# Altium PCB Atlas-Pi.PcbDoc (part 1 of 3)
Units mil, origin at the board's own origin, x right, y up, seen from the top; angles counter-clockwise.
Board outline 2204.72 x 3346.46 mil, 4 copper layers (Top1, Gnd2, Signal3, Bottom4), stack 64.689 mil thick; 216 components, 214 nets, 934 pads, 615 vias.
Unrouted connection lines stored in the file: 151.
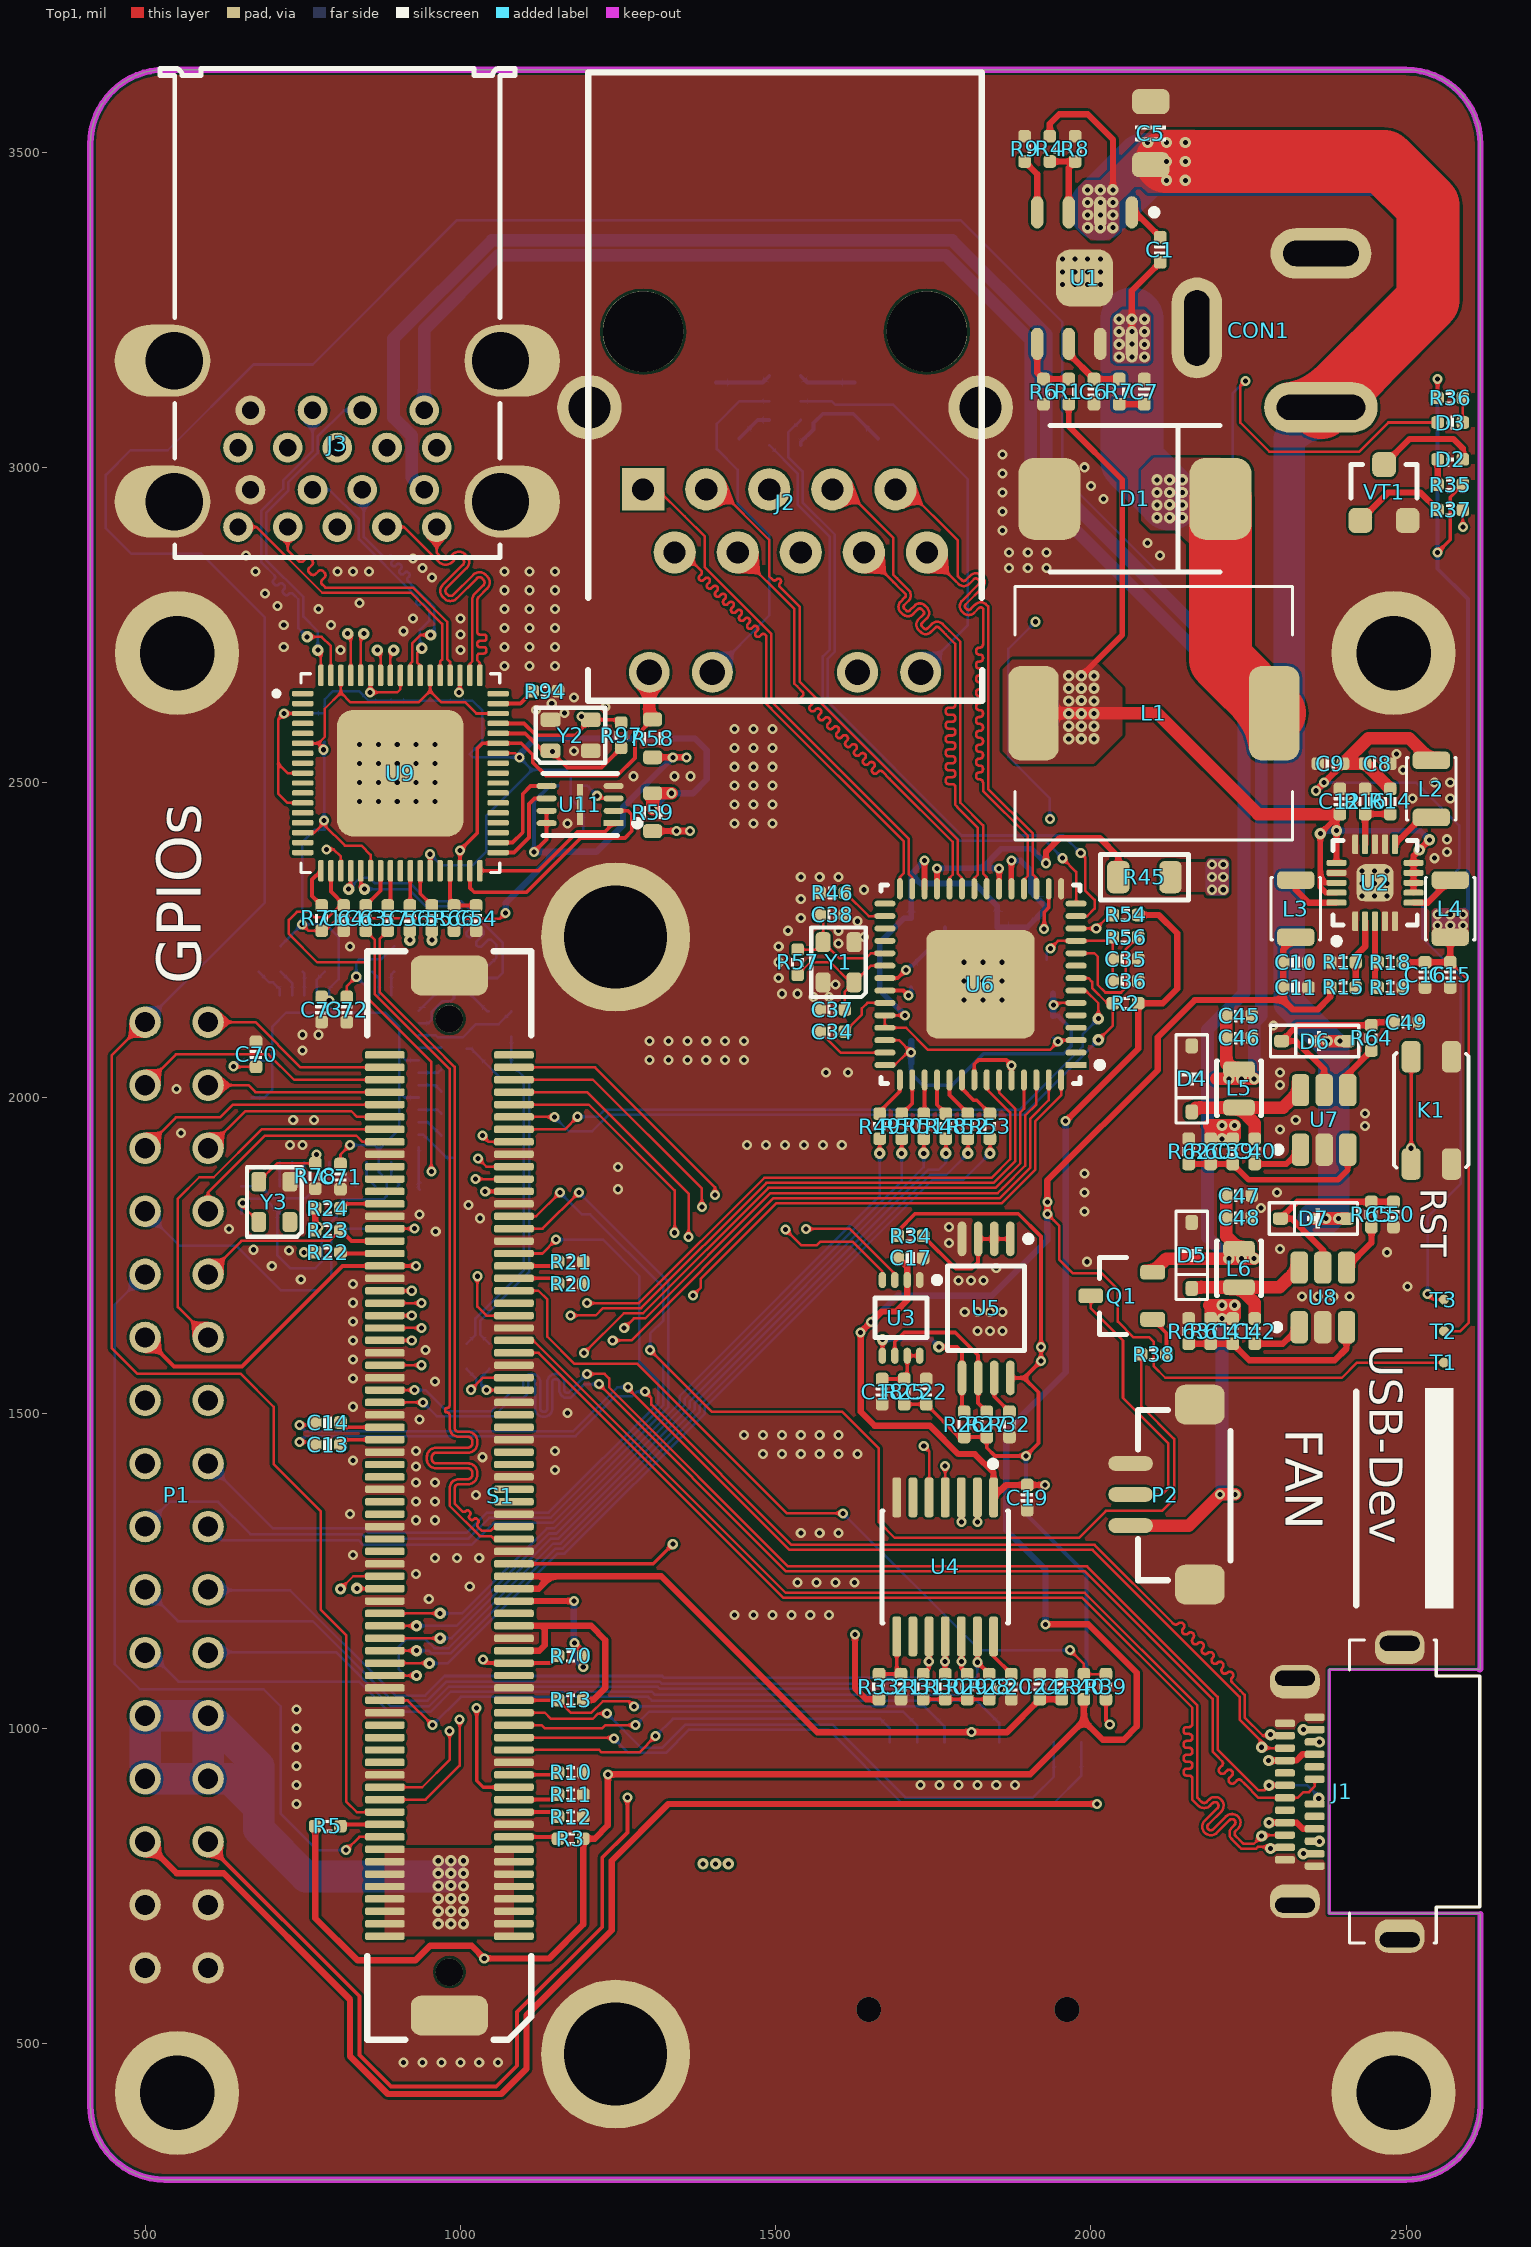
[diagram p0: Top1 view]
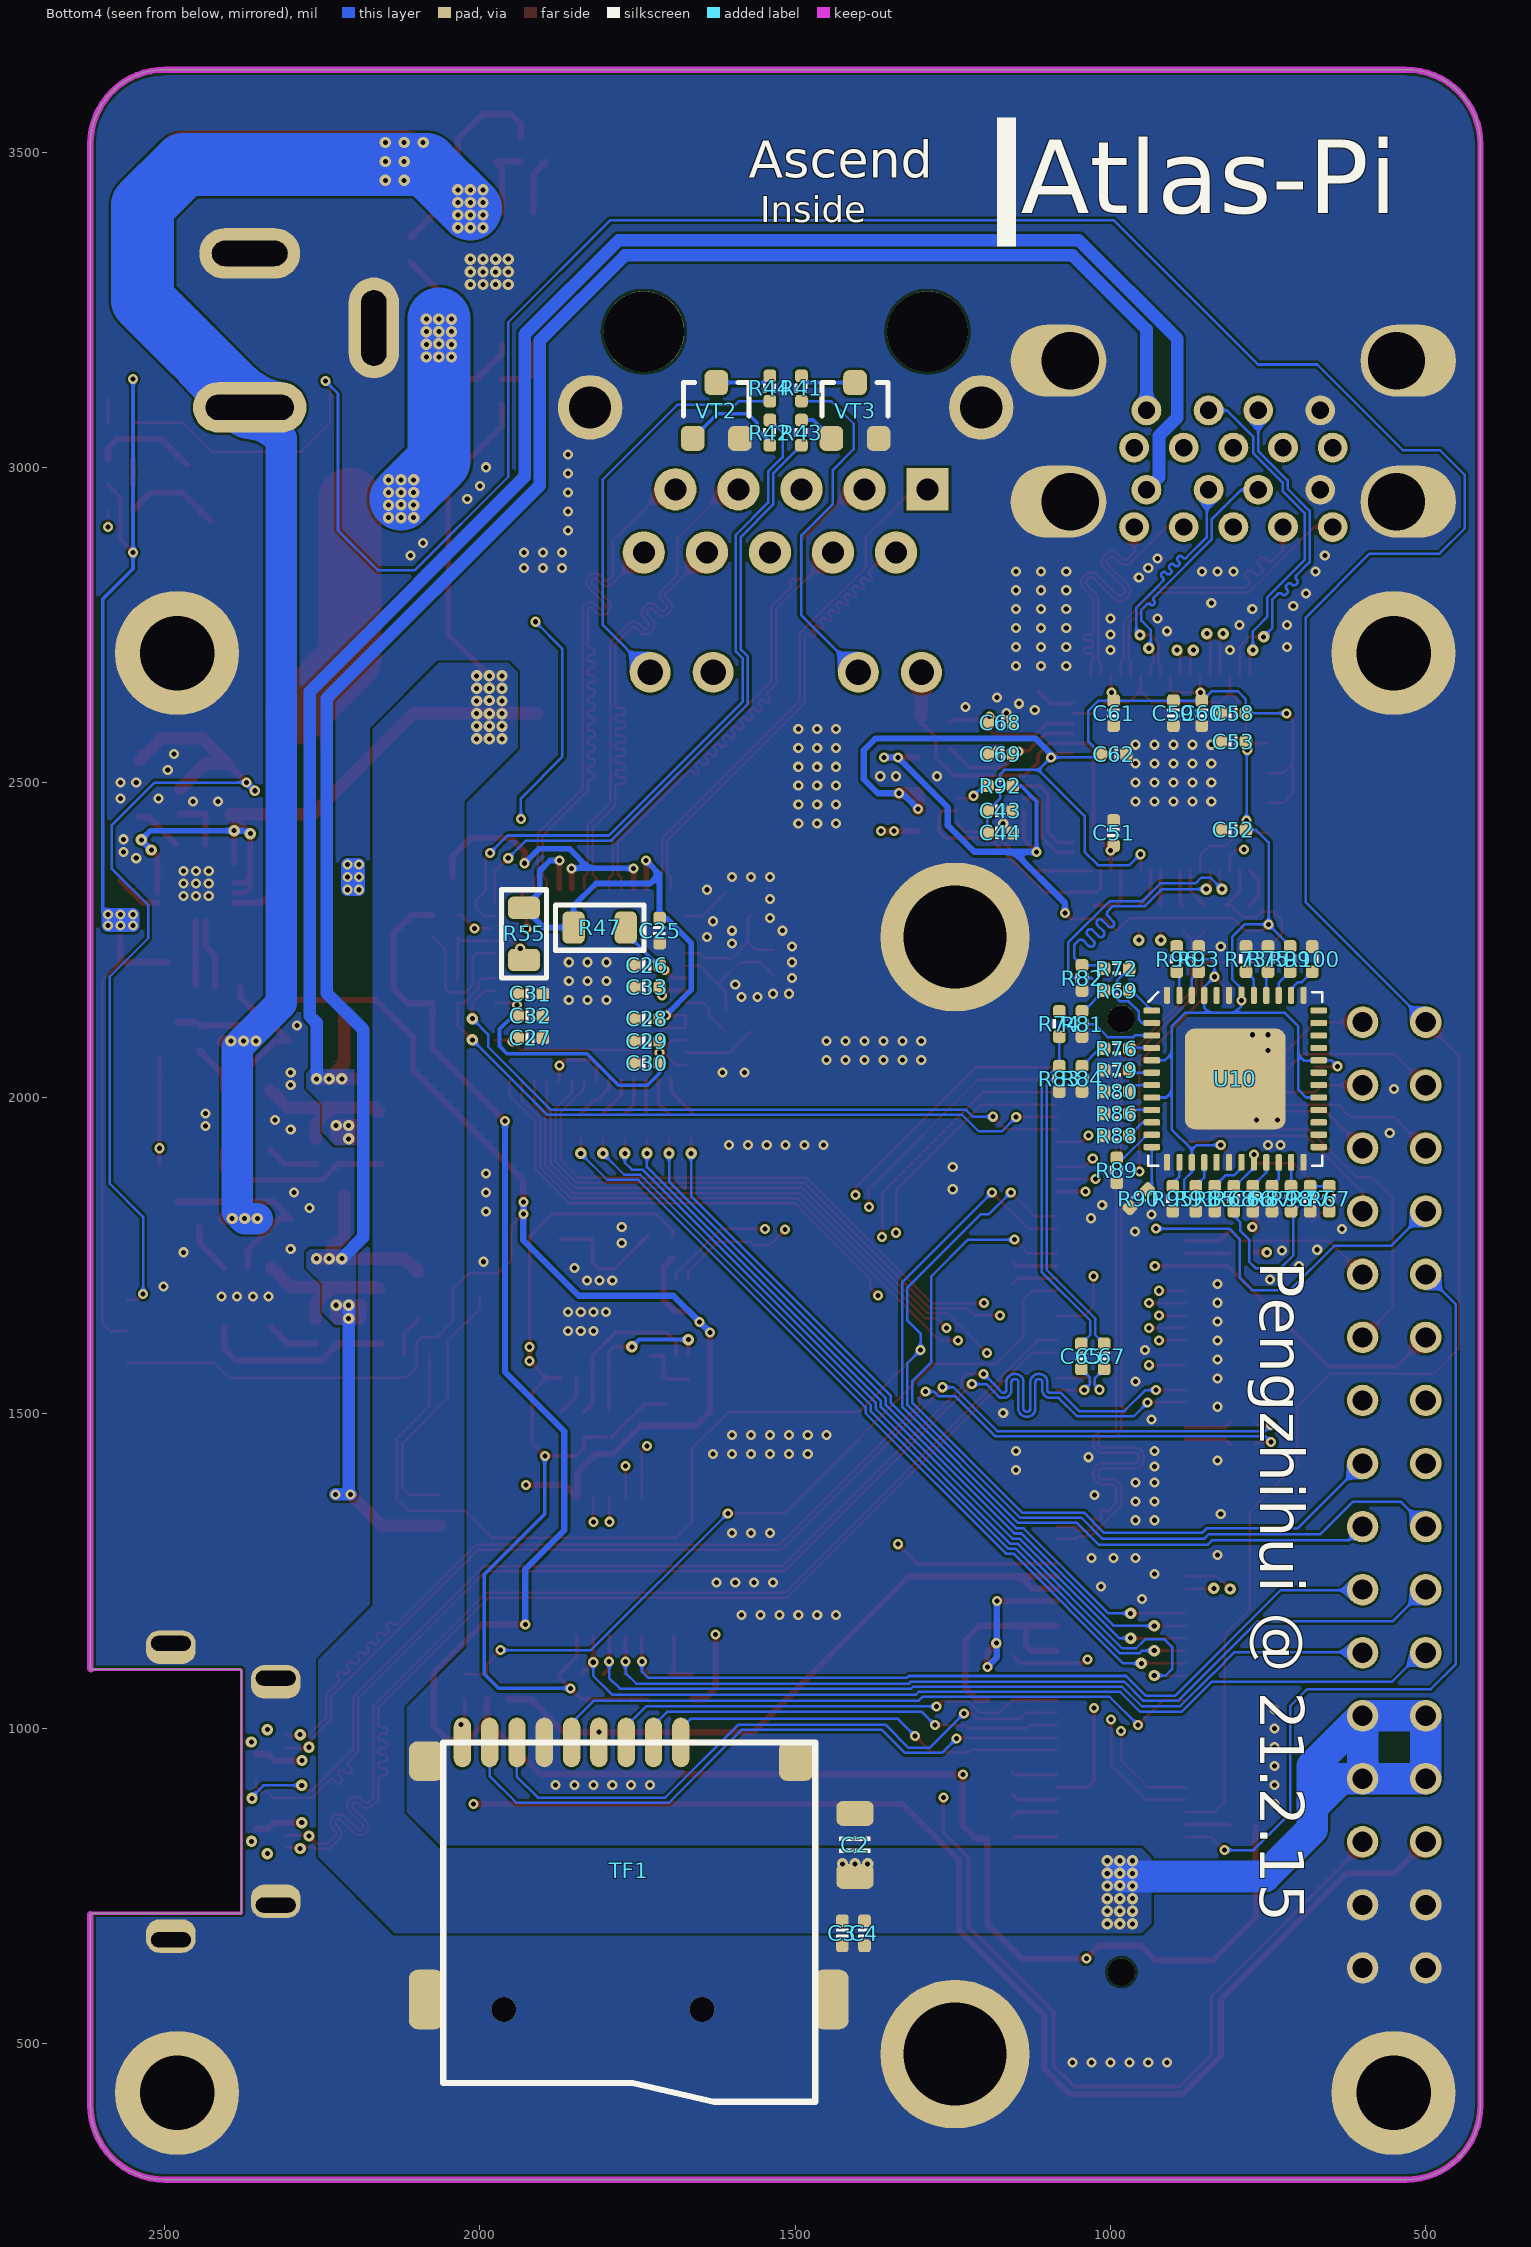
[diagram p1: Bottom4 view, seen from below]
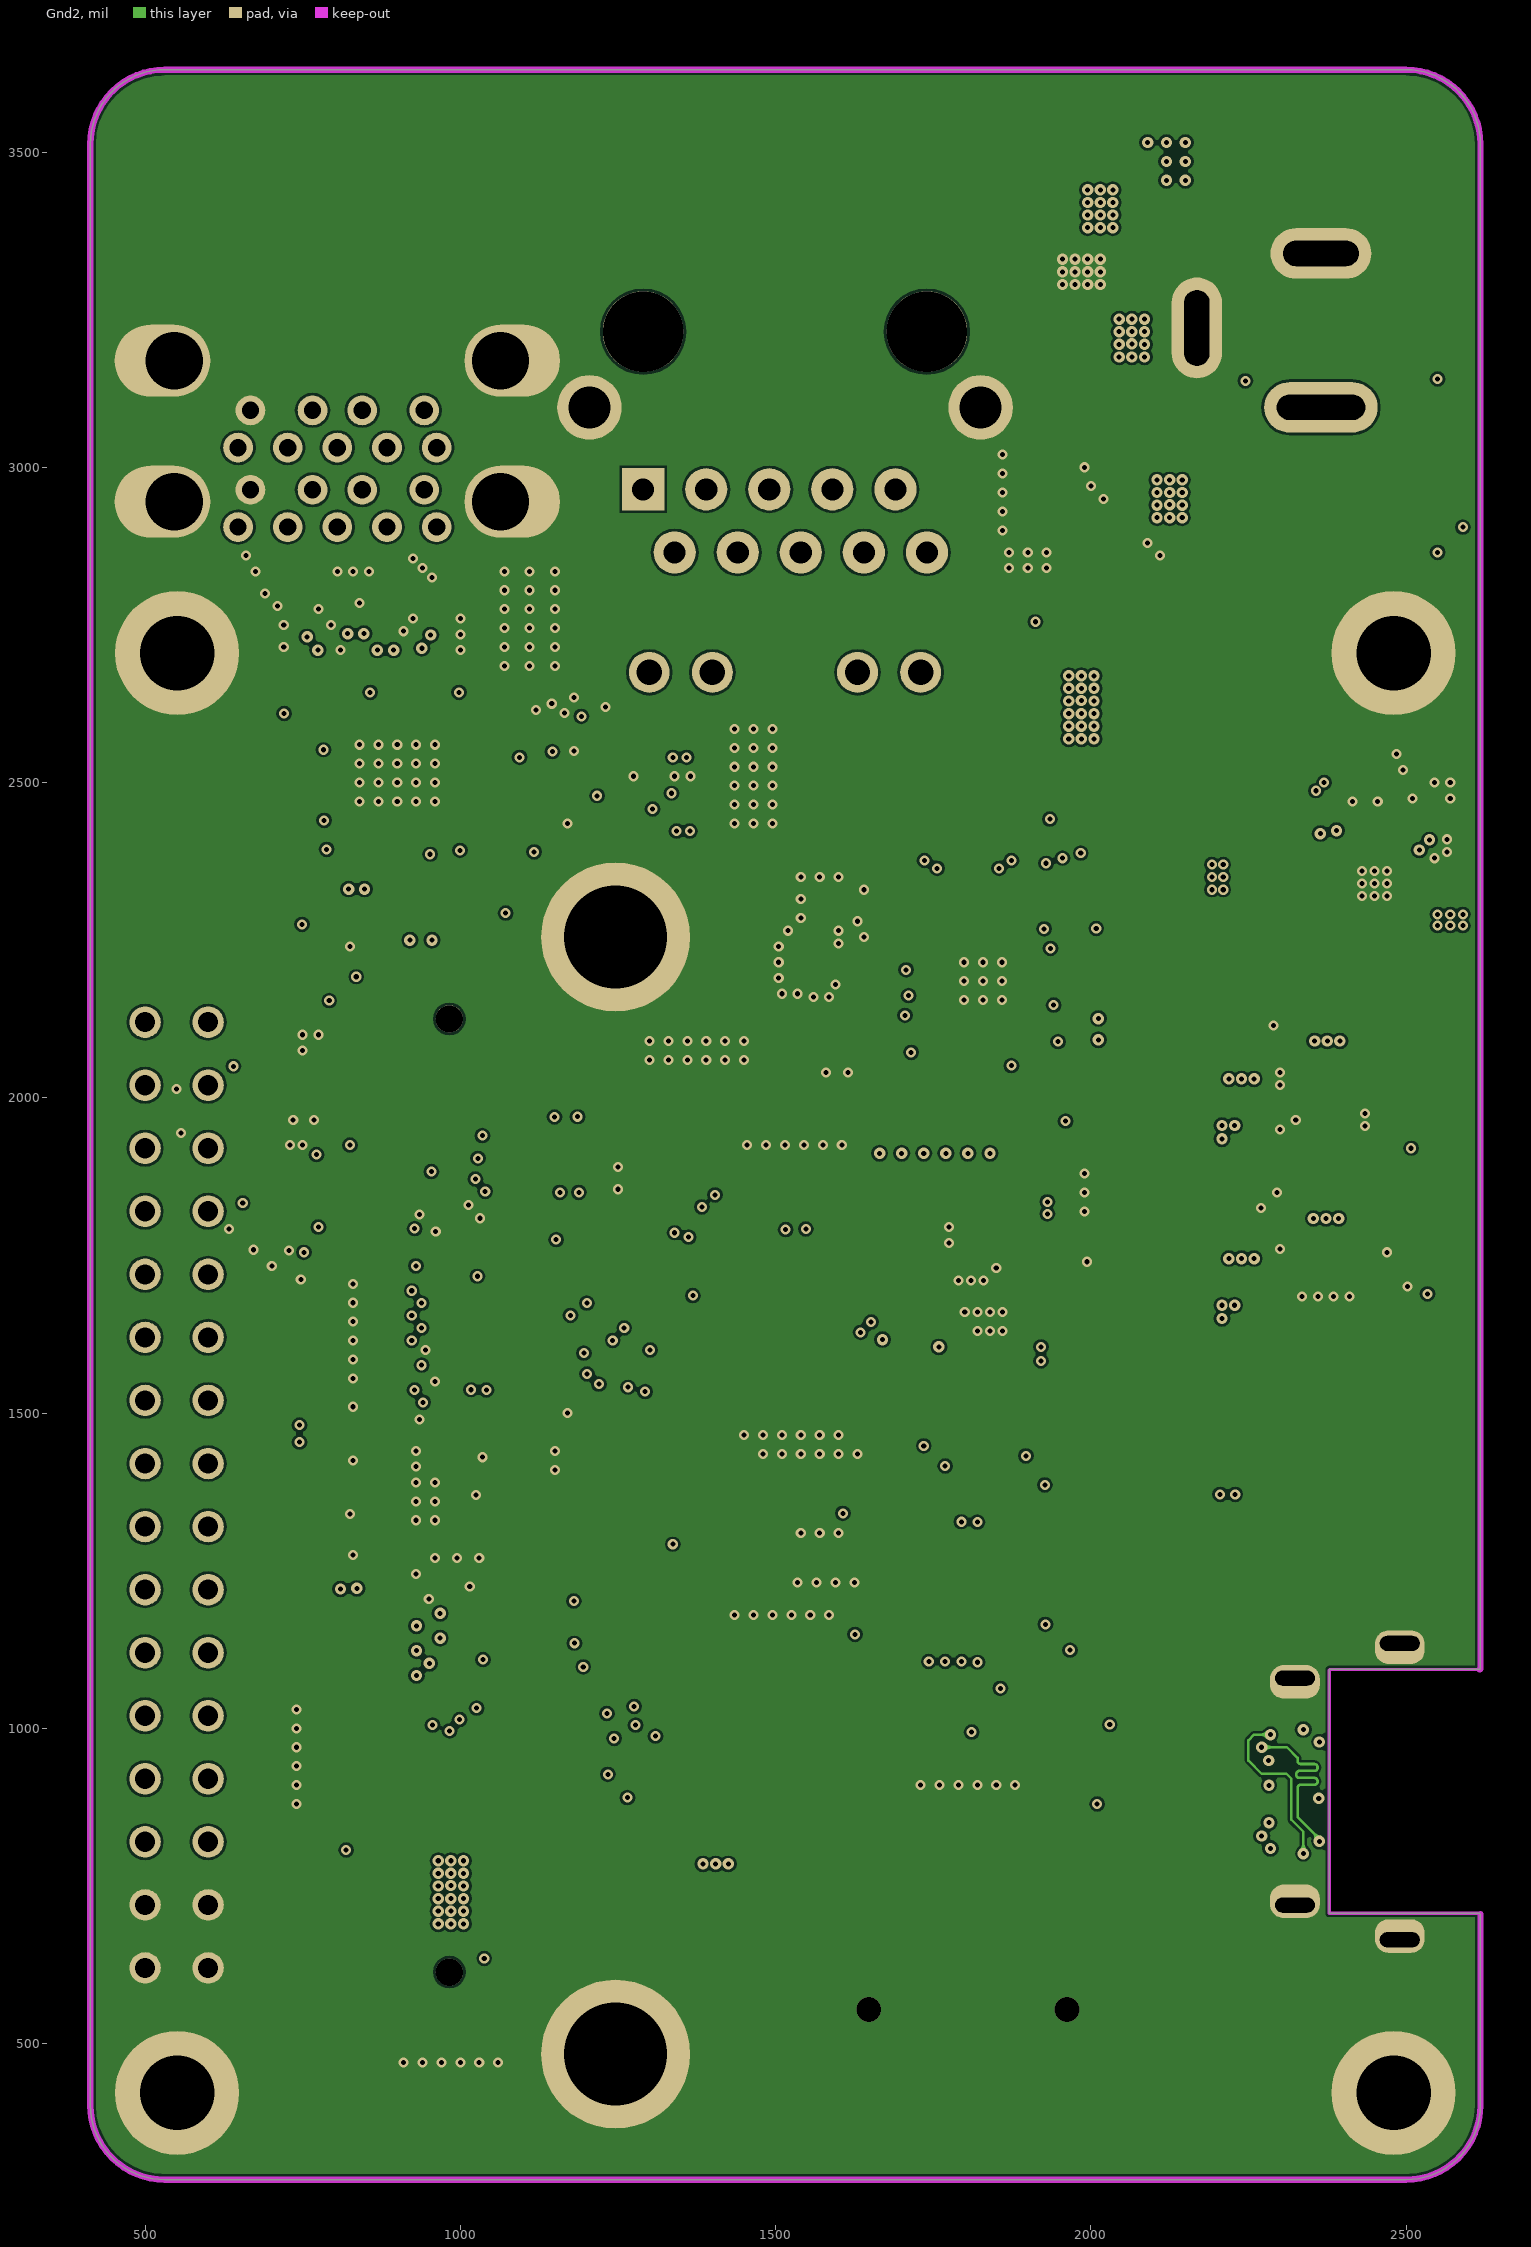
[diagram p2: Gnd2]